# Altium PCB batteryPack.PcbDoc (part 1 of 2) (continued)
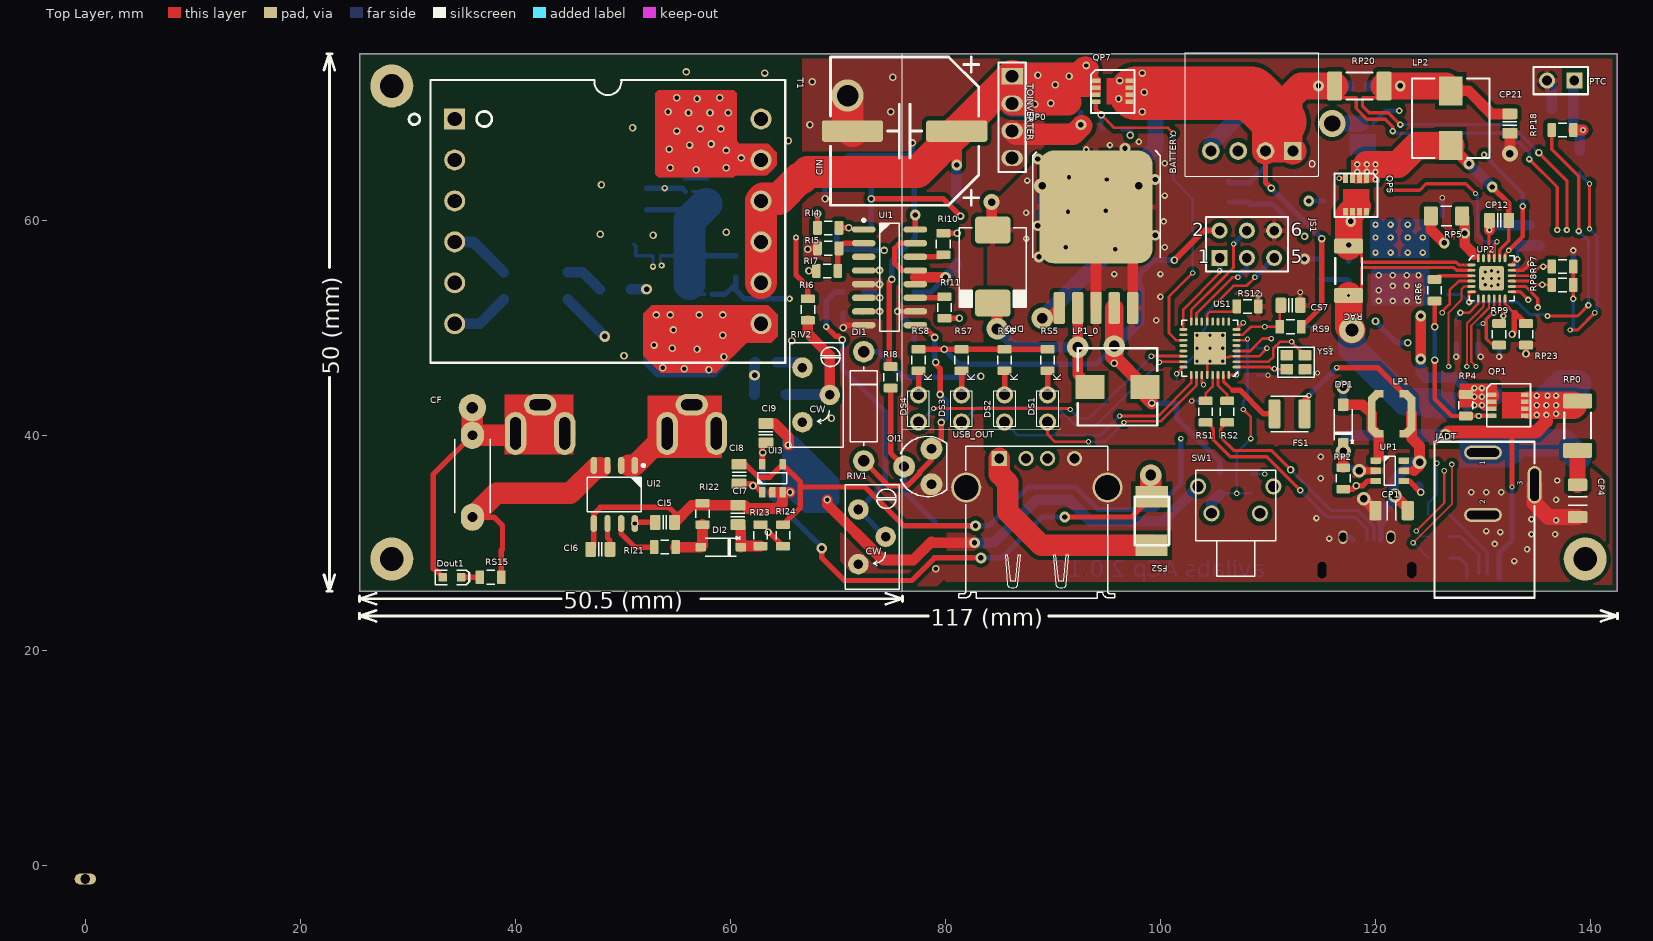
[diagram p0: Top Layer view]
## Components (designator, comment, footprint, x,y, rotation, side; value= is the part's Value field where it differs from the comment) (continued)
TOINVERTER "Header 4" HDR1X4 86.2,73.4 r270 top
UI1 "SG3524" SOIC127P600X175-16AN 74.8,54.7 r0 top
UI2 "ACS712ELCTR-05B-T" SOIC127P600X175-8AN 49.2,34.5 r270 top
UI3 "LM321" SOT23-5 63.9,36 r90 top
UP0 "LM2576" TO-263-5 94,58 r90 top
UP1 "MT3608" SOT23-6 121.324,36.702 r0 top
UP2 "BQ24618" QFN50P400X400X80-25 130.8,54.6 r0 top
US1 "ATMEGA8U2AU" QFN50P500X500X80-33N 104.6,48.1 r180 top
USB_OUT "WE-Communication Connectors 61400416021" 61400416021 88.5,36.5 r0 top (schematic designator J?)
USBIN "WR-Communication Connectors 629105150921" 629105150921 119.2,29 r180 bottom
YS1 "16MHz" CRYSTAL_NX2520SA 112.6,46.8 r180 top

## Footprints (in the part's own frame and the unit in brackets; to place one, negate y for a bottom-side part, rotate by r counter-clockwise, add the part's x,y. Pads: shape width x height; smd on the part's side, far side on the other; paste and mask are expansions set on the pad)
0ZCG0010 [mm]
  rect 2x3 smd: 1(0.025,1.6) 2(4.525,1.575)
  silkscreen extent 0,0 4.52,3.2, body extent 0,0 4.5,3.2, height 1.53
61400416021 [mm] "4 pins"
  rect 1.428x1.428 hole 0.92: 1(-3.5,1.35)
  round 1.428 hole 0.92: 2(-1,1.35) 3(1,1.35) 4(3.5,1.35)
  round 2.8 hole 2.3: Z1(-6.57,-1.35) Z2(6.57,-1.35)
  silkscreen extent -7.25,-11.63 7.25,2.47, body extent -7.9,-11.63 7.9,2.47, height 7.71
431256058716 [mm] "6*6mm right angle Tact switch,THT, height 5.85mm, black actuator, 160gf, Bulk"
  round 1.5 hole 1: 1(-3.5,1.25) 2(-2.25,-1.25) 3(2.25,-1.25) 4(3.5,1.25)
  silkscreen extent -3.7,-7.1 3.7,2.75, body extent -4.2,-7.1 4.2,2.75, height 7.21
629105150921 [mm] "WR-COM_USB_Micro Type AB_Horizontal_SMT Micro Type AB Horizontal SMT - with Pegs - T&R Packaging"
  rect 0.4x1.35 smd: 1(-1.3,1.278) 2(-0.65,1.278) 3(0,1.278) 4(0.65,1.278) 5(1.3,1.278)
  round 0 hole 0.825 slot 1.5 at 90 deg: Z1(-4.175,-1.527) Z2(4.175,-1.527)
  rect 1.8x1.9 smd: Z1(-3.76,-1.527) Z2(3.76,-1.527) Z4(-1.15,-1.527) Z5(1.15,-1.527)
  oval 0.85x1.25 hole 0.65 slot 0.85 at 90 deg: Z1(-2.225,1.528) Z2(2.225,1.528)
  silkscreen extent -4,-4.15 4,2.47, body extent -4.3,-4.15 4.3,1.72, height 2.73
694108301002 [mm] "WR-DC_DC Power Jack_Right Angled_THT Center Pin ?2.5_Plug ID ?2.05_Plug OD ?5.5"
  oval 1.3x3.5 hole 0.8 slot 3 at 90 deg: 1(2.9,0) 2(-2.9,0)
  oval 3.5x1.3 hole 0.8 slot 3 at 0 deg: 3(-0.1,-4.8)
  silkscreen extent -10.6,-4.8 3.9,4.5, body extent -10.7,-5 3.8,4.5, height 10.7
AC_SOCKET [mm]
  oval 2x3 hole 1 slot 2 at 90 deg: 1(0.254,0)
  oval 4x2 hole 1 slot 3 at 0 deg: 1(2.921,-2.286) 1(2.921,2.286)
  silkscreen extent 0,-2.54 15.11,2.54, body extent 0,-2.5 15.09,2.5, height 7
APFA3010SEEZGQBDC [mm]
  rect 1x0.8 smd: 1(-1.5,0.25) 2(1.5,0.25)
  rect 0.4x0.8 smd: 3(0.4,-0.15) 4(-0.4,-0.15)
  silkscreen extent -1.5,0 1.5,1.5, body extent -1.5,0 1.5,1.5, height 1.02
CAP_ELEC_5x5.7 [mm] "Capacitor, polarized, aluminum can; 5x5.7mm DxH"
  round 0.508 on Mech15: 0(0,0)
  rrect25% 3x1.6 smd: 1(2.2,0) 2(-2.2,0)
  silkscreen extent -2.7,-2.7 3.5,3.3, body extent -2.65,-2.65 2.65,2.65, height 5.7
CAP_ELEC_SIZE_E [mm] "Capacitor, polarized, aluminum can; 8.0x6.2mm DxH"
  rrect25% 1.6x4 smd: 1(0,-3.1) 2(0,3.1)
  silkscreen extent -4.6,-4.6 4.6,4.1, body extent -4.25,-4.75 4.25,4.75, height 6.5
CAP_ELEC_SIZE_H13 [mm] "Capacitor, polarized, aluminum can; 12.5x13.5mm DxH"
  round 0.508 on Mech15: 0(0,0)
  rrect25% 2x5.7 smd: 1(0,-4.85) 2(0,4.85)
  silkscreen extent -6.9,-6.9 6.9,6.9, body extent -6.85,-7.5 6.85,7.5, height 14
CAPC2012X135N#1 [mm] "Chip Capacitor, Body 2.0x1.2mm, EIA 0805, IPC Medium Density"
  round 0.254 on Mech15: 0(0,0)
  rrect25% 1x1.4 smd: 1(-0.9,0) 2(0.9,0)
  Top Layer pour cut-out: -0.675,0.7 -0.475,0.9 0.475,0.9 0.675,0.7 0.675,-0.7 0.475,-0.9 -0.475,-0.9 -0.675,-0.7
  silkscreen extent -0.15,-0.65 0.15,0.65, body extent -1.1,-0.72 1.1,0.73, height 1.34
CAPC2012X135N#2 [mm] "Chip Capacitor, Body 2.0x1.2mm, EIA 0805, IPC Medium Density"
  rrect25% 1x1.4 smd: 1(-0.9,0) 2(0.9,0)
  Top Layer pour cut-out: -0.675,0.7 -0.475,0.9 0.475,0.9 0.675,0.7 0.675,-0.7 0.475,-0.9 -0.475,-0.9 -0.675,-0.7
  silkscreen extent -0.15,-0.65 0.15,0.65, body extent -1.1,-0.72 1.1,0.73, height 1.34
CAPC3216X100N [mm] "Chip Capacitor, Body 3.2x1.6mm, 1.0mm H, EIA 1206, IPC Medium Density"
  rrect25% 1.15x1.8 smd: 1(-1.5,0) 2(1.5,0)
  silkscreen extent -0.4,-0.88 0.4,0.88, body extent -1.7,-0.9 1.7,0.9, height 1
CAPC3216X175N#1 [mm] "Chip Capacitor, Body 3.2x1.6mm, 1.75mm H, EIA 1206, IPC Medium Density"
  rrect25% 1.15x1.8 smd: 1(-1.5,0) 2(1.5,0)
  silkscreen extent -0.4,-0.88 0.4,0.88, body extent -1.7,-0.9 1.7,0.9, height 1.75
CAPC3216X175N#2 [mm] "Chip Capacitor, Body 3.2x1.6mm, 1.75mm H, EIA 1206, IPC Medium Density"
  round 0.508 on Mech15: 0(0,0)
  rrect25% 1.15x1.8 smd: 1(-1.5,0) 2(1.5,0)
  silkscreen extent -0.4,-0.88 0.4,0.88, body extent -1.7,-0.9 1.7,0.9, height 1.75
CAPMF12.5x4.5x9.0x10mmLS [mil] "Capacitor, MF, Thru-Hole, Dipped Radial; Body 12.5 x 4.5 x 9.0 mm (WxTxH) Pin Spacing 10.0 mm (typ)"
  oval 100x85 hole 36: 1(-150,0) 2(150,0)
  round 100 hole 42: 2(251,0)
  silkscreen extent -133,-65 135,65, body extent -196,-89 296,89, height 354
CAPMP3528X210N [mm] "Molded body capacitor, Body 3.5x2.8mm, 1210, IPC Nominal settings"
  round 0.254 on Mech15: 0(0,0)
  rrect25% 1.8x2.3 smd: 1(-1.45,0) 2(1.45,0)
  Top Layer pour cut-out: -0.508,1.27 0.508,1.27 0.508,-1.27 -0.508,-1.27
  silkscreen extent -1.5,-1.8 1.1,1.8, body extent -1.75,-1.4 1.75,1.4, height 2.1
CRYSTAL_NX2520SA [mm] "SMD Crystal 4-lead leadless package"
  rrect25% 1.2x1 smd mask+0.075: 1(-0.85,-0.65) 2(0.85,-0.65) 3(0.85,0.65) 4(-0.85,0.65)
  silkscreen extent -1.7,-1.4 1.7,1.4, body extent -1.3,-1.05 1.3,1.05, height 0.55
DO-41 [mm] "Diode, thru-hole"
  round 2 hole 1.067 unplated: 1(0,-5.08) 2(0,5.08)
  silkscreen extent -1.27,-3.68 1.27,3.68, body extent -1.3,-5.46 1.27,5.46, height 2.55
DO-214AB [mm] "JEDEC DO214 variation AB. SMC"
  rrect25% 2.5x3.3 smd: A(-3.4,0) K(3.4,0)
  silkscreen extent -3.6,-3.1 3.8,3.1, body extent -3.98,-2.98 4.05,2.98, height 2.62
EFD25_6008 [mm] "THT, Body 26.30x33.00mm, 10Pins,Pitch 3.81mm"
  rect 1.95x1.95 hole 1.32: 1(-14.25,9.525)
  round 1.95 hole 1.32: 2(-14.25,5.715) 3(-14.25,1.905) 4(-14.25,-1.905) 5(-14.25,-5.715) 6(-14.25,-9.525) 7(14.25,-9.525) 8(14.25,-5.715) 9(14.25,-1.905) 10(14.25,1.905) 11(14.25,5.715) 12(14.25,9.525)
  silkscreen extent -18.5,-13.15 16.5,13.15, body extent -15.84,-13 15.84,12.97, height 13.55
HDR1X2 [mm] "Connector; Header; 2 Position"
  rect 1.5x1.5 hole 0.9: 1(0,0)
  round 1.5 hole 0.9: 2(2.54,0)
  silkscreen extent -1.27,-1.27 3.81,1.27
HDR1X4 [mm] "Connector; Header; 4 Position"
  rect 1.5x2 hole 1.2: 1(0,0)
  oval 1.5x2 hole 1.2: 2(2.54,0) 3(5.08,0) 4(7.62,0)
  silkscreen extent -1.27,-1.27 8.89,1.27
HDR2X3 [mm] "Connector; Header; 3x2 Position"
  rect 1.5x1.5 hole 0.9: 1(0,0)
  round 1.5 hole 0.9: 2(0,2.54) 3(2.54,0) 4(2.54,2.54) 5(5.08,0) 6(5.08,2.54)
  silkscreen extent -1.27,-1.27 6.35,3.81
IND_COILCRAFT_LPS4018 [mm] "Shielded Power Inductor, Body 4.0x4.0x1.8mm"
  rrect1% 0.7x3.124 smd: 1(-1.85,0) 2(1.85,0)
  rrect1% 0.786x0.902 smd rot 135: 1(-1.603,1.603) 2(1.603,-1.603)
  rrect1% 0.786x0.902 smd rot 45: 1(-1.603,-1.603) 2(1.603,1.603)
  rrect1% 0.812x0.7 smd: 1(-1.156,1.85) 1(-1.156,-1.85) 2(1.156,1.85) 2(1.156,-1.85)
  Top Layer pour cut-out: -1.524,2.286 1.524,2.286 1.524,-2.286 -1.524,-2.286
  body extent -2,-2 2,2, height 1.79
INDC3225X250N [mm] "Chip Inductor, 2-Leads, Body 3.2x2.5mm, IPC Medium Density"
  rrect25% 1.1x2.7 smd: 1(-1.4,0) 2(1.4,0)
  silkscreen extent -1.75,-1.65 1.75,1.65, body extent -1.7,-1.35 1.7,1.35, height 2.7
LED-0603-RED [mm]
  round 0.254 on Mech15: 0(0,0)
  rrect25% 0.8x0.8 smd: 1(0.85,0) 2(-0.85,0)
  Top Layer pour cut-out: -0.5,0.5 0.5,0.5 0.5,-0.5 -0.5,-0.5
  silkscreen extent -1.55,-0.67 1.68,0.67, body extent -0.8,-0.4 0.8,0.4, height 0.75
QFN50P400X400X80-25 [mm] "QFN, 24-Leads with exposed die pad, Body 4.05x4.05mm (max), Pitch 0.50mm, IPC Medium Density"
  oval 0.75x0.25 smd mask+0.075: 1(-1.875,1.25) 2(-1.875,0.75) 3(-1.875,0.25) 4(-1.875,-0.25) 5(-1.875,-0.75) 6(-1.875,-1.25) 13(1.875,-1.25) 14(1.875,-0.75) 15(1.875,-0.25) 16(1.875,0.25) 17(1.875,0.75) 18(1.875,1.25)
  oval 0.25x0.75 smd mask+0.075: 7(-1.25,-1.875) 8(-0.75,-1.875) 9(-0.25,-1.875) 10(0.25,-1.875) 11(0.75,-1.875) 12(1.25,-1.875) 19(1.25,1.875) 20(0.75,1.875) 21(0.25,1.875) 22(-0.25,1.875) 23(-0.75,1.875) 24(-1.25,1.875)
  rrect20% 2.3x2.3 smd paste-1.7: 25(0,0)
  rrect20% 2.3x2.3 smd far side paste-1.7: 25(0,0)
  silkscreen extent -2.1,-2.1 2.1,2.1, body extent -2.03,-2.06 2.06,2.03, height 0.8
QFN50P500X500X80-33N [mm] "QFN, 32-Leads with exposed die pad, Body 5.1x5.1mm (max), Pitch 0.50mm, IPC Medium Density"
  oval 0.75x0.25 smd mask+0.075: 1(-2.475,1.75) 2(-2.475,1.25) 3(-2.475,0.75) 4(-2.475,0.25) 5(-2.475,-0.25) 6(-2.475,-0.75) 7(-2.475,-1.25) 8(-2.475,-1.75) 17(2.475,-1.75) 18(2.475,-1.25) 19(2.475,-0.75) 20(2.475,-0.25) 21(2.475,0.25) 22(2.475,0.75) 23(2.475,1.25) 24(2.475,1.75)
  oval 0.25x0.75 smd mask+0.075: 9(-1.75,-2.475) 10(-1.25,-2.475) 11(-0.75,-2.475) 12(-0.25,-2.475) 13(0.25,-2.475) 14(0.75,-2.475) 15(1.25,-2.475) 16(1.75,-2.475) 25(1.75,2.475) 26(1.25,2.475) 27(0.75,2.475) 28(0.25,2.475) 29(-0.25,2.475) 30(-0.75,2.475) 31(-1.25,2.475) 32(-1.75,2.475)
  rect 3x3 smd: 33(0,0)
  silkscreen extent -2.6,-2.6 2.6,2.6, body extent -2.54,-2.54 2.55,2.55, height 0.8
RESC2012X70N#1 [mm] "Chip Resistor, Body 2.0x1.2mm, EIA 0805, IPC Medium Density"
  round 0.254 on Mech15: 0(0,0)
  rrect25% 0.8x1.3 smd: 1(-1,0) 2(1,0)
  Top Layer pour cut-out: -0.725,0.65 -0.525,0.85 0.525,0.85 0.725,0.65 0.725,-0.65 0.525,-0.85 -0.525,-0.85 -0.725,-0.65
  silkscreen extent -0.38,-0.64 0.38,0.64, body extent -1.1,-0.67 1.1,0.68, height 0.69
RESC2012X70N#2 [mm] "Chip Resistor, Body 2.0x1.2mm, EIA 0805, IPC Medium Density"
  rrect25% 0.8x1.3 smd: 1(-1,0) 2(1,0)
  Top Layer pour cut-out: -0.725,0.65 -0.525,0.85 0.525,0.85 0.725,0.65 0.725,-0.65 0.525,-0.85 -0.525,-0.85 -0.725,-0.65
  silkscreen extent -0.38,-0.64 0.38,0.64, body extent -1.1,-0.67 1.1,0.68, height 0.69
RESC3216X70N [mm] "Chip Resistor, Body 3.2x1.6mm, EIA 1206, IPC Medium Density"
  rrect25% 1.3x1.8 smd: 1(-1.45,0) 2(1.45,0)
  silkscreen extent -0.51,-0.89 0.51,0.89, body extent -1.62,-0.82 1.63,0.83, height 0.69
RESC3225X70N [mm] "Chip Resistor, Body 3.2x2.5mm, EIA 1210, IPC Medium Density"
  round 0.508 on Mech15: 0(0,0)
  rrect25% 1.3x2.7 smd: 1(-1.45,0) 2(1.45,0)
  silkscreen extent -0.51,-1.34 0.51,1.34, body extent -1.7,-1.35 1.7,1.35, height 0.69
RESC5025X70N#1 [mm] "Chip Resistor, Body 5.0x2.5mm, 2010, IPC Medium Density"
  rrect25% 1.4x2.7 smd: 1(-2.3,0) 2(2.3,0)
  silkscreen extent -1.2,-1.25 1.2,1.25, body extent -2.6,-1.35 2.6,1.35, height 0.69
RESC5025X70N#2 [mm] "Chip Resistor, Body 5.0x2.5mm, 2010, IPC Medium Density"
  round 0.508 on Mech15: 0(0,0)
  rrect25% 1.4x2.7 smd: 1(-2.3,0) 2(2.3,0)
  silkscreen extent -1.2,-1.25 1.2,1.25, body extent -2.6,-1.35 2.6,1.35, height 0.69
RESC6332X70N [mm] "Chip Resistor, Body 6.3x3.2mm, 2512, IPC Medium Density"
  round 1 on Mech15: 0(0,0)
  rrect25% 1.25x3.35 smd: 1(-3,0) 2(3,0)
  silkscreen extent -2,-1.58 2,1.58, body extent -3.3,-1.7 3.3,1.7, height 0.69
SOD123#1 [mm] "SOD-123; 2 Leads; Body 2.7 x 1.6 mm, (LxW)"
  rrect25% 1x0.8 smd: 1(1.85,0) 2(-1.85,0)
  silkscreen extent -1.75,-1 1.45,0.85, body extent -1.95,-0.9 1.95,0.9, height 1.18
SOD123#2 [mm] "SOD-123; 2 Leads; Body 2.7 x 1.6 mm, (LxW)"
  rrect25% 1.2x1 smd: 1(1.85,0) 2(-1.85,0)
  silkscreen extent -1.75,-1 1.45,0.85, body extent -1.95,-0.9 1.95,0.9, height 1.18
SOIC127P600X175-8AN [mm] "SOIC, 8-Leads, Body 4.9x3.9mm, Pitch 1.27mm, IPC Medium Density"
  round 1 on Mech15: 0(0,0)
  oval 1.6x0.6 smd: 1(-2.7,1.905) 2(-2.7,0.635) 3(-2.7,-0.635) 4(-2.7,-1.905) 5(2.7,-1.905) 6(2.7,-0.635) 7(2.7,0.635) 8(2.7,1.905)
  silkscreen extent -2.82,-2.5 1.6,2.83, body extent -3,-2.45 3,2.45, height 1.75
SOIC127P600X175-16AN [mm] "SOIC, 1.27mm pitch, 16 pin, Body 9.9x3.90mm"
  round 1 on Mech15: 0(0,0)
  oval 2.2x0.6 smd: 1(-2.4,4.445) 2(-2.4,3.175) 3(-2.4,1.905) 4(-2.4,0.635) 5(-2.4,-0.635) 6(-2.4,-1.905) 7(-2.4,-3.175) 8(-2.4,-4.445) 9(2.4,-4.445) 10(2.4,-3.175) 11(2.4,-1.905) 12(2.4,-0.635) 13(2.4,0.635) 14(2.4,1.905) 15(2.4,3.175) 16(2.4,4.445)
  silkscreen extent -2.52,-5.03 0.9,5.42, body extent -3,-5 3,5, height 1.75
SOT23-5 [mm]
  rrect25% 1x0.6 smd: 1(-1.3,0.95) 2(-1.3,0) 3(-1.3,-0.95) 4(1.3,-0.95) 5(1.3,0.95)
  silkscreen extent -0.51,-1.35 0.51,1.35, body extent -1.4,-1.45 1.4,1.45, height 1.44
SOT23-6 [mm]
  rrect25% 1x0.6 smd: 1(-1.3,0.95) 2(-1.3,0) 3(-1.3,-0.95) 4(1.3,-0.95) 5(1.3,0) 6(1.3,0.95)
  silkscreen extent -0.51,-1.35 0.51,1.35, body extent -1.4,-1.45 1.4,1.45, height 1.44
SOT255P670X250-4N [mm] "SOT143, 4-Leads, Body 4.75x6.70mm, Pitch 2.55mm, IPC Medium Density"
  rect 1.75x0.9 smd: 1(-2.975,1.275) 2(-2.975,-1.275) 3(2.975,-1.275) 4(2.975,1.275)
  silkscreen extent -3.1,-2.5 2.1,2.5, body extent -3.35,-2.48 3.35,2.47, height 2.5
SOT-23 [mm] "SOT23, 3-Leads, Body 2.9x1.3mm, Pitch 0.95mm, Lead Span 2.5mm, IPC Medium Density"
  rect 1.5x0.6 smd: 1(0.95,0) 2(-0.95,-0.95) 3(-0.95,0.95)
  silkscreen extent 0.2,-1.5 0.7,1.5, body extent -1.16,-1.45 1.21,1.45, height 1
SXHA-4 [mm]
  rect 1.65x1.65 hole 1.02: 1(2.35,2.39)
  round 1.65 hole 1.02: 2(2.35,4.93) 3(2.35,7.47) 4(2.35,10.01)
  silkscreen extent 0,0 11.5,12.4, body extent 0,0 11.5,12.4, height 6.1
TO-92 [mil]
  round 80 hole 36: 1(0,65) 2(100,0) 3(0,-65)
  silkscreen extent -56,-110 115,110, body extent -55,-95 107,95, height 405
TO-263-5 [mm] "D-PAK/TO-263-5; 5 Leads; Body 14.4 (inc. leads) x 10.4 mm (LxW max)"
  rrect25% 2.95x1.05 smd: 1(-6.15,3.41) 2(-6.15,1.705) 3(-6.15,0) 4(-6.15,-1.705) 5(-6.15,-3.41)
  rrect25% 10.5x10.5 smd: 3(3.25,0)
  silkscreen extent -1.5,-6 8.5,5.9, body extent -6.73,-5.08 7.29,5.08, height 4.56
TRANS_NexFET_Q3 [mm] "TI recommended land pattern (nominal) M0143-01"
  rect 0.9x0.45 smd mask+0.076: 1(-1.617,0.975) 2(-1.617,0.325) 3(-1.617,-0.325) 4(-1.617,-0.975)
  rect 0.7x0.45 smd mask+0.076: 5(1.49,-0.975) 6(1.49,-0.325) 7(1.49,0.325) 8(1.49,0.975)
  Top Layer region: -0.615,1.225 1.285,1.225 1.285,-1.225 -0.615,-1.225
  silkscreen extent -2.05,-2 2,2, body extent -1.65,-1.7 1.62,1.7, height 1.12
"TrimPot_THT_2.54mm pitch" [mil] "TRIMMER, MURATA, PV36Y"
  round 75 hole 35: 1(0,0) 2(100,-100) 3(0,-200)
  silkscreen extent -47,-291 150,91, body extent -47,-287 150,91, height 445
"Type 3mm" [mm] "THT, LED-3mm, 2pin- Body 4.15mm(max)"
  round 1.6 hole 1: 1(1.27,0) 2(-1.27,0)
  silkscreen extent -1.65,-1.02 1.65,1.02, body extent -1.62,-1.02 1.62,0.98, height 9
"WE-HCI 7030" [mm] "SMD Inductor, 2-Leads, Body 7,0x6,9mm"
  rect 2.7x2.2 smd: 1(-2.55,0) 2(2.55,0)
  silkscreen extent -3.7,-3.6 3.7,3.6, body extent -3.5,-3.45 3.5,3.45, height 2.98

## Part data
BAT54C: library part BAT54C, "Schottky Rectifier"
BATTERY TOINVERTER: "Header, 4-Pin"
CF CI2 CI3 CI4 CI5 CI6 CI7 CI8 CI9 CP1 CP2 CP3 CP4 CP5 CP6 CP7 CP8 CP9 CP10 CP11 CP12 CP13 CP14 CP16 CP17 CP18 CP20 CP21: "Capacitor"
CIN CIP1 CIP2 CIP3 CIP4 CIP5: "Polarized Capacitor (Radial)"
CP1_0 CP2_0: library part "Cap Pol1", "493-2203-1-ND"
CS1 CS2 CS3 CS4 CS6 CS7 CS8: library part CAP0402-CAP
DB1: library part Bridge1, "Full Wave Diode Bridge"
DI1 DI2: library part "Diode 1N4007", "1 Amp General Purpose Rectifier"
Dout1 DS1 DS2 DS3 DS4: "754-1900-ND"
DP0 DP1 DP2 DP3: library part "Diode 18TQ045", "Schottky Rectifier"
JADT: "WR-DC_DC Power Jack_Right Angled_THT"
LEDP1: library part "WL-SFTW 3528 150141M173100", "754-1649-1-ND"
LP1: library part "WE-PD2SR 7850, 744787068", "587-1671-1-ND"
LP1_0: library part L-CD32, "IHLP2525CZER6R8M11"
LP2: library part "WE-PD2SR 7850, 744787068", "IHLP2525CZER6R8M11"
PTC: library part "Header 2", "Header, 2-Pin"
QI1: library part PNP, "PNP Bipolar Transistor"
QIS1 QIS2 QP1 QP2 QP7: "MOSFET, N-CH, 30V, 47A, SON 3.3x3.3mm"
QP5 QP6: library part CSD17308Q3, "MOSFET, N-CH, 30V, 47A, SON 3.3x3.3mm"
RAC RI21 RI22 RI23 RI24 RIN RIS RP0 RP20: "RMCF2512JT2R00CT-ND"
RI1 RI2 RI3 RI4 RI5 RI6 RI7 RI8 RI9 RI10 RI11 RI12 RI13 RP1 RP2 RP3 RP4 RP6 RP7 RP8 RP9 RP10 RP11 RP12 RP13 RP14 RP15 RP16 RP17 RP18 RP22 RP23 RP25: "Semiconductor Resistor"
RIV1: "Potentiometer"
RIV2: "3362H-502LF-ND"
RP5: "311-10ERCT-ND"
RS1 RS2 RS4: library part RESISTOR0402-RES
RS5 RS6 RS7 RS8 RS9 RS10 RS11 RS12 RS15: "RES, 1.0k ohm, 5%, 0.1W, 0603"
SW1: "WS-TATU THT Tact Switch 6X6 mm right angle type with ground terminal"
T1: library part "WE-LLCR, ETD34, 760895431", "Resonant Converter EFD25"
UI2: library part ACS712
UP0: "576-1539-1-ND"
USB_OUT: "WR-COM USB RA Type A"
USBIN: "WR-COM_USB_Micro Type AB_Horizontal_SMT"
YS1: library part CRYSTAL5X3

## Free pads (board coordinates)
  round 4 hole 2.2 unplated: 0(28.5,28.5) 0(28.5,72.5) 0(139.5,28.5)
  oval 2x1 hole 0.9: 1(0,-1.27)

## Via types
v1: diameter 0.6, hole 0.3, Top Layer to Bottom Layer, 119 vias
v2: diameter 0.7, hole 0.4, Top Layer to Bottom Layer, 115 vias
v3: diameter 0.5, hole 0.3, Top Layer to Bottom Layer, 58 vias
v4: diameter 0.8, hole 0.8, Top Layer to Bottom Layer, 47 vias
v5: diameter 1, hole 0.5, Top Layer to Bottom Layer, 30 vias
v6: diameter 0.4, hole 0.3, Top Layer to Bottom Layer, tented both sides, 9 vias
v7: diameter 2, hole 1, Top Layer to Bottom Layer, 5 vias
v8: diameter 1.27, hole 0.711, Top Layer to Bottom Layer, 5 vias
v9: diameter 1.5, hole 0.7, Top Layer to Bottom Layer, 4 vias
v10: diameter 0.4, hole 0.3, Top Layer to Bottom Layer, 4 vias
v11: diameter 3, hole 2, Top Layer to Bottom Layer, 1 vias
v12: diameter 2.5, hole 1.5, Top Layer to Bottom Layer, 1 vias
v13: diameter 2.4, hole 1.2, Top Layer to Bottom Layer, 1 vias
v14: diameter 1.2, hole 0.7, Top Layer to Bottom Layer, 1 vias
v15: diameter 1.4, hole 0.7, Top Layer to Bottom Layer, 1 vias

## Nets (pads, with @x,y where several pads share a name; then routed paths per layer and width w, separated by ;. In a path a pad name is that pad's centre, name@x,y a point inside that pad or via, vN(x,y) a via of type N, cw(c..) or ccw(c..) an arc to the next point about the centre after c; other vN are vias at no path point)
+5V: CI5.2 CI9.1 CP2_0.1 CS2.1 CS3.1 FS2.1 JS1.2 LP1_0.2 RS4.2 RS5.2 RS6.2 RS7.2 RS8.2 RS11.1 UI2.8 UI3.5 UP0.4 US1.4 US1.32 | length 172.9
  Top Layer w0.25: US1.4@107.075,47.85 108.35,47.85 109.5,49 v3(110.3,49)
  Top Layer w0.3: US1.32@106.35,45.625 v3(107.075,45.625)
  Top Layer w0.5: v2(51.1,31.8) UI2.8@51.105,31.8 51.205,31.9 CI5.2@53,31.9 ; UI3.5@62.95,37.3 62.95,38.95 CI9.1@63.3,39.3 ; v5(68.5,29.5) 68.5,28.6 70.6,26.5 76.869,26.5 78.969,28.6 v5(83.3,28.6) ; RS8.2@77.5,48 79.5,48 ; v2(79.9,48) RS7.2@81.5,48 RS6.2@85.5,48 RS5.2@89.5,48 ; v5(91.1,32.4) 97.325,32.4 FS2.1@99.2,34.275
  Top Layer w0.56: v2(101.3,56.3) 104.04,59.04 JS1.2@105.5,59.04
  Top Layer w1.2: v7@95.705,47.345 LP1_0.2@98.55,44.5 98.55,43.65 v2(99.2,43)
  Top Layer w1.7: v7@95.705,47.345 UP0.4@95.705,51.85
  Top Layer w2: v7(99.1,36.3) 99.1,34.375 FS2.1@99.2,34.275
  Mid-Layer 1 w0.5: v2(51.1,31.8) 60.8,31.8 63,34 v2(63,38.4)
  Mid-Layer 2 w0.7: v2(99.2,43) 100.4,43 103.1,45.7 107,45.7 v3(107.075,45.625) 108.075,46.625 108.075,47.675 109.4,49 v3(110.3,49)
  Mid-Layer 2 w2: v2@95.7,47 94.2,45.5 94.2,41.2 v7(99.1,36.3)
  Bottom Layer w0.3: CS2.1@106.95,47.85 CS2.1@107.2,48.1
  Bottom Layer w0.5: v2(63,38.4) 63,35.1 67.5,30.6 ; v5(68.5,29.5) 68.5,29.6 67.5,30.6 ; v5@68.6,29.5 67.5,30.6 ; v2(79.9,48) 81.3,46.6 94,46.6 v7(95.7,48.3) ; v5(83.3,28.6) 85.2,28.6 89,32.4 v5(91.1,32.4) ; v2(99.2,43) RS4.2@101.5,43 101.5,41.6 105.5,37.6 RS11.1@105.5,36.5 ; v3(107.075,45.625) 107.2,45.75 CS2.1@107.2,48.1
  Bottom Layer w0.56: CP2_0.1@98,53.7 98,54.9 99.4,56.3 v2(101.3,56.3)
  Bottom Layer w1: v7(95.7,48.3) 98,50.6 CP2_0.1@98,53.7
  other v2: 95.7,46.7
AGND: BATTERY.3 BATTERY.4 CI2.2 CI4.2 CIN.2 CIP1.2 CIP2.2 CIP3.2 CIP4.2 CIP5.2 CP1.2 CP2.2 CP4.2 CP11.1 CP13.1 CP14.2 CP16.2 CP18.2 DB1.2 JADT.2 JADT.3 QI1.1 QP6.1 QP6.2 QP6.3 RI5.2 RI13.2 RIS.2 RIV1.3 RP3.1 RP25.2 TOINVERTER.3 TOINVERTER.4 UI1.5 UI1.8 UI1.10 UP1.2 UP2.25 USB_OUT.4 USB_OUT.Z1 USB_OUT.Z2 USBIN.5 USBIN.Z1 USBIN.Z2 | length 93.9
  Top Layer w0.5: v2(67.2,57.3) 67.3,57.4 RI5.2@68.1,57.4 ; v2(70.5,50) 70.755,50.255 UI1.8@72.4,50.255 ; UI1.5@72.4,54.065 v2(73.865,54.065) ; v2(75.575,51.525) UI1.10@77.2,51.525
  Top Layer w0.7: v8(118.5,36.7) 118.502,36.702 UP1.2@120.024,36.702
  Top Layer w1: v8(118.9,34.1) CP1.2@120,33
  Top Layer w1.5: v4(134.8,35.4) 134.8,33.7 136.1,32.4 CP4.2@138.8,32.4
  Top Layer w2: TOINVERTER.3@86.2,68.32 86.52,68 91.893,68 v5@92.697,68.803
  Top Layer w3: v11(70.9,71.6) 70.9,68.75 CIN.2@71.35,68.3
  Mid-Layer 1 w0.3: v1(52.8,55.7) 52.8,55.681 54.181,54.3 60.2,54.3 61.7,55.8 64.9,55.8 66.9,53.8 71.1,53.8 71.5,54.2 73.73,54.2 v2(73.865,54.065)
  Bottom Layer w0.3: RIS.2@51,57.8 51.2,57.6 51.2,56.7 52.8,56.7 v1(52.8,55.7)
  Bottom Layer w0.5: v2(67.2,57.3) CI4.2@68.1,57.3 ; v2(68.8,62) CIP2.2@68.8,63.5 ; v2(70.5,50) CI2.2@70.5,51.4 ; v2(75.575,51.525) 77.1,50 CIP1.2@77.1,48.9 ; v2(76.9,67.2) 76.9,65.95 CIP5.2@77.1,65.75 ; CIP3.2@79,27.6 v2(79.1,27.6) ; v5(92.6,68.9) CP18.2@92.6,70 ; CP16.2@96.5,68.5 97.2,68.5 v2(97.2,67.9) ; v5(113.8,61.8) CP11.1@115.2,61.8 ; USBIN.Z2@116.975,30.528 117.65,30.528 USBIN.5@117.9,30.278 ; RP3.1@117,37 118.2,37 v8(118.5,36.7)
  Bottom Layer w0.7: CP2.2@117,42.5 v8(117,44.5)
  Bottom Layer w1: DB1.2@44.875,52.625 v5(48.3,49.2) ; CIP4.2@62.25,43.8 v5(62.25,45.6) 62.25,46.75 RI13.2@62.3,46.8 ; CIP2.2@68.8,63.5 71.05,65.75 CIP5.2@77.1,65.75
  Bottom Layer w1.5: BATTERY.4@104.69,66.45 104.69,67.09 CP14.2@107.2,69.6 ; v12(115.983,69.017) QP6.1@117.825,69.017 QP6.2@118.475,69.017 QP6.2@118.583,69.017
  other v1: 132.9,28.3 134.1,29.4 131.1,29.9 115.7,30.4 134.5,30.8 136.7,30.8 131.6,31 130.3,31.1 136.8,32.1 134.5,32.2 114.5,32.3 136.8,34 128.9,34.7 130.3,34.7 131.7,34.7 136.9,35.8 114.9,36 114.9,38 130.8,53.9 130,54.6 130.8,54.6 131.5,54.6 130.8,55.3 120,57 121.4,57 123,57 124.4,57 120,58.4 121.4,58.4 123,58.4 124.4,58.4 120,59.6 121.4,59.6 123,59.6
  other v2: 69.4,41.6 50.1,47.4 65.7,48.8 52.8,58.6 47.9,58.7 59.6,58.9 48,63.3 65.4,67.4 50.9,68.6 67.4,68.9 74.9,70.1 67.6,72.9 75.1,73.3 63.2,73.7 55.9,73.8
  other v4: 128.9,32.6 129.1,32.6 129.3,32.6 129.4,32.6 129.6,32.6 129.7,32.6 129.9,32.6 130,32.6 130.1,32.6 130.2,32.6 130.3,32.6 130.5,32.6 130.6,32.6 130.7,32.6 130.8,32.6 130.9,32.6 131,32.6 131.1,32.6 134.8,34.3 134.8,34.4 134.8,34.5 134.8,34.6 134.8,34.7 134.8,34.9 134.8,35.1 134.8,35.2 134.8,35.5 134.8,35.7 134.8,35.9 134.8,36.1 134.8,36.3 134.8,36.5
  other v10: 130.2,54 131.4,54 130.2,55.2 131.4,55.2
DTR: RS12.2 US1.13 | length 3.7
  Top Layer w0.2: US1.13@104.35,50.575 104.35,51.25 104.6,51.5 106.6,51.5 RS12.2@107.1,52
GND: CI5.1 CI6.1 CI7.1 CI9.2 CP1_0.2 CP2_0.2 CP6.1 CP7.1 CP8.1 CP9.1 CP10.1 CP21.1 CS1.2 CS2.2 CS3.2 CS4.2 CS6.2 CS7.2 CS8.2 DP0.A JS1.6 PTC.2 RI22.1 RP10.2 RP11.2 RP12.2 RP17.2 RP23.2 RP25.1 RS10.1 RS12.1 SW1.1 SW1.3 SW1.4 UI2.5 UI3.2 UI3.3 UP0.3 UP0.5 UP2.17 US1.3 US1.28 US1.33 | length 143.8
  Top Layer w0.25: CI6.1@47,29.4 CI6.1@47.1,29.5 ; US1.28@104.35,45.625 104.35,47.85 v6(104.6,48.1) 105.425,47.275 106.388,47.275 106.463,47.35 US1.3@107.075,47.35 109.15,47.35 v3(109.9,48.1) ; RS12.1@109.1,52 v2(109.1,53.1) ; CS7.2@113,52.1 v3(113,53.3)
  Top Layer w0.3: UP2.17@132.675,55.35 133.75,55.35 v1(134.4,56)
  Top Layer w0.5: CI6.1@47.1,29.5 47.295,29.695 UI2.5@47.295,31.8 47.295,32.695 47.9,33.3 54.3,33.3 54.8,32.8 CI5.1@54.8,31.9 ; v2(134,47.6) RP23.2@134,48.4
  Top Layer w1: CI5.1@54.8,31.9 56.4,33.5 CI7.1@60.7,33.5 61.3,33.5 61.6,33.2 64.4,33.2 64.85,33.65 UI3.3@64.85,34.7 ; CI9.2@63.3,41.1 64.1,41.1 65.4,39.8 v2(65.4,39.1) ; UI3.2@63.95,34.7 UI3.3@64.85,34.7 ; v2(65.55,34.7) UI3.3@64.85,34.7 ; v2(69,34) 69,33.6 74.2,28.4 77,28.4 78.7,30.1 78.8,30 v5(82.7,30) ; DP0.A@84.3,59.1 v9(84.3,61.7) ; UP0.3@94,51.85 94,56.5 95.34,57.84 UP0.3@97.41,57.84 ; UP0.3@94,61.25 UP0.3@97.41,57.84 ; UP0.5@97.41,51.85 UP0.3@97.41,57.84 ; v9(132.5,66.2) CP21.1@132.5,68.1
  Bottom Layer w0.25: v3(102.9,43.2) CS1.2@104.1,43.2 ; CS8.2@108.5,36.4 v3(109.7,36.4) ; CS3.2@109,45.6 v3(110,45.6) ; CS2.2@109,48.1 v3(109.9,48.1) ; RS10.1@113.1,50.1 v3(114.4,50.1) ; CS4.2@113.5,45.8 v3(114.6,45.8) ; CS6.2@114.9,48 v3(115.8,48)
  Bottom Layer w0.5: v5(113.4,56.4) CP6.1@115,56.4 ; CP10.1@126.2,60.4 v3(126.2,62.1) ; v1(127.5,47.3) CP9.1@127.5,48.5 ; CP7.1@129.5,48.5 129.5,47.6 v1(129.8,47.3) ; v1(131.5,47.3) RP12.2@131.5,48.4 ; RP11.2@138.4,54 RP10.2@138.4,55.7 v1(138.4,57.2)
  Bottom Layer w1: v2(65.4,39.1) 65.55,38.95 v2(65.55,34.7) 66.25,34 v2(69,34) ; v5(82.7,30) 84.5,30 88.5,34 91.5,34 93.5,32 100.25,32 SW1.1@103.5,35.25 ; CP1_0.2@89,59.9 v9(89,63.2) ; CP2_0.2@98,59.9 v9(98,63.2) ; PTC.2@135.96,73 136.4,72.56 RP17.2@136.4,70.4
  other v1: 99.6,50.7 120.3,52.5 121.6,52.5 122.9,52.5 124,52.5 100,52.9 120.3,53.5 124,53.5 121.6,53.9 122.9,53.9 120.3,54.9 121.6,54.9 122.9,54.9 124,54.9 95.7,55 100,55 100.4,57.5 87.5,58.3 100.3,59.9 87.5,60.7 100.4,62.3 87.6,63.7 100.4,65.3 93.1,66.6 95.3,67 98,67.3
  other v2: 95.8,57.3 91.2,57.5 91.4,60.8 94.9,60.9 95,63.8 91.5,64
  other v5: 88.7,56.6 99.5,58.6 88.6,59.5 99.5,63.8 88.6,65.7 96.7,66.7
  other v6: 103.4,46.9 104.6,46.9 105.8,46.9 103.4,48.1 105.8,48.1 103.4,49.3 104.6,49.3 105.8,49.3
MISO: JS1.1 US1.17 | length 8
  Top Layer w0.25: US1.17@102.125,49.85 102.125,51.725 105.5,55.1 v3(105.5,55.3)
  Bottom Layer w0.5: v3(105.5,55.3) JS1.1@105.5,56.5
MOSI: JS1.4 US1.16 | length 10.6
  Top Layer w0.25: US1.16@102.85,50.575 102.85,51.65 105.7,54.5 106.8,55.6 v3(106.8,57.8)
  Bottom Layer w0.5: v3(106.8,57.8) JS1.4@108.04,59.04
NetBAT54C_1: BAT54C.1 CP12.2 UP2.22 | length 7.4
  Top Layer w0.3: UP2.22@130.55,56.475 130.55,59.05 v1(130.6,59.1)
  Top Layer w1: v1(130.6,59.1) CP12.2@130.6,60
  Bottom Layer w1: v1(130.6,59.1) 131.05,59.55 BAT54C.1@134.3,59.55